# Altium PCB UZ_D_Encoder.PcbDoc (part 3 of 5)
Units mm, origin at the board's own origin, x right, y up, seen from the top; angles counter-clockwise.
Board outline 156.29 x 100 mm, 4 copper layers (Top Layer, GND, VCC, Bottom Layer), stack 0.778 mm thick; 526 components, 375 nets, 1809 pads, 592 vias.
Unrouted connection lines stored in the file: 1.
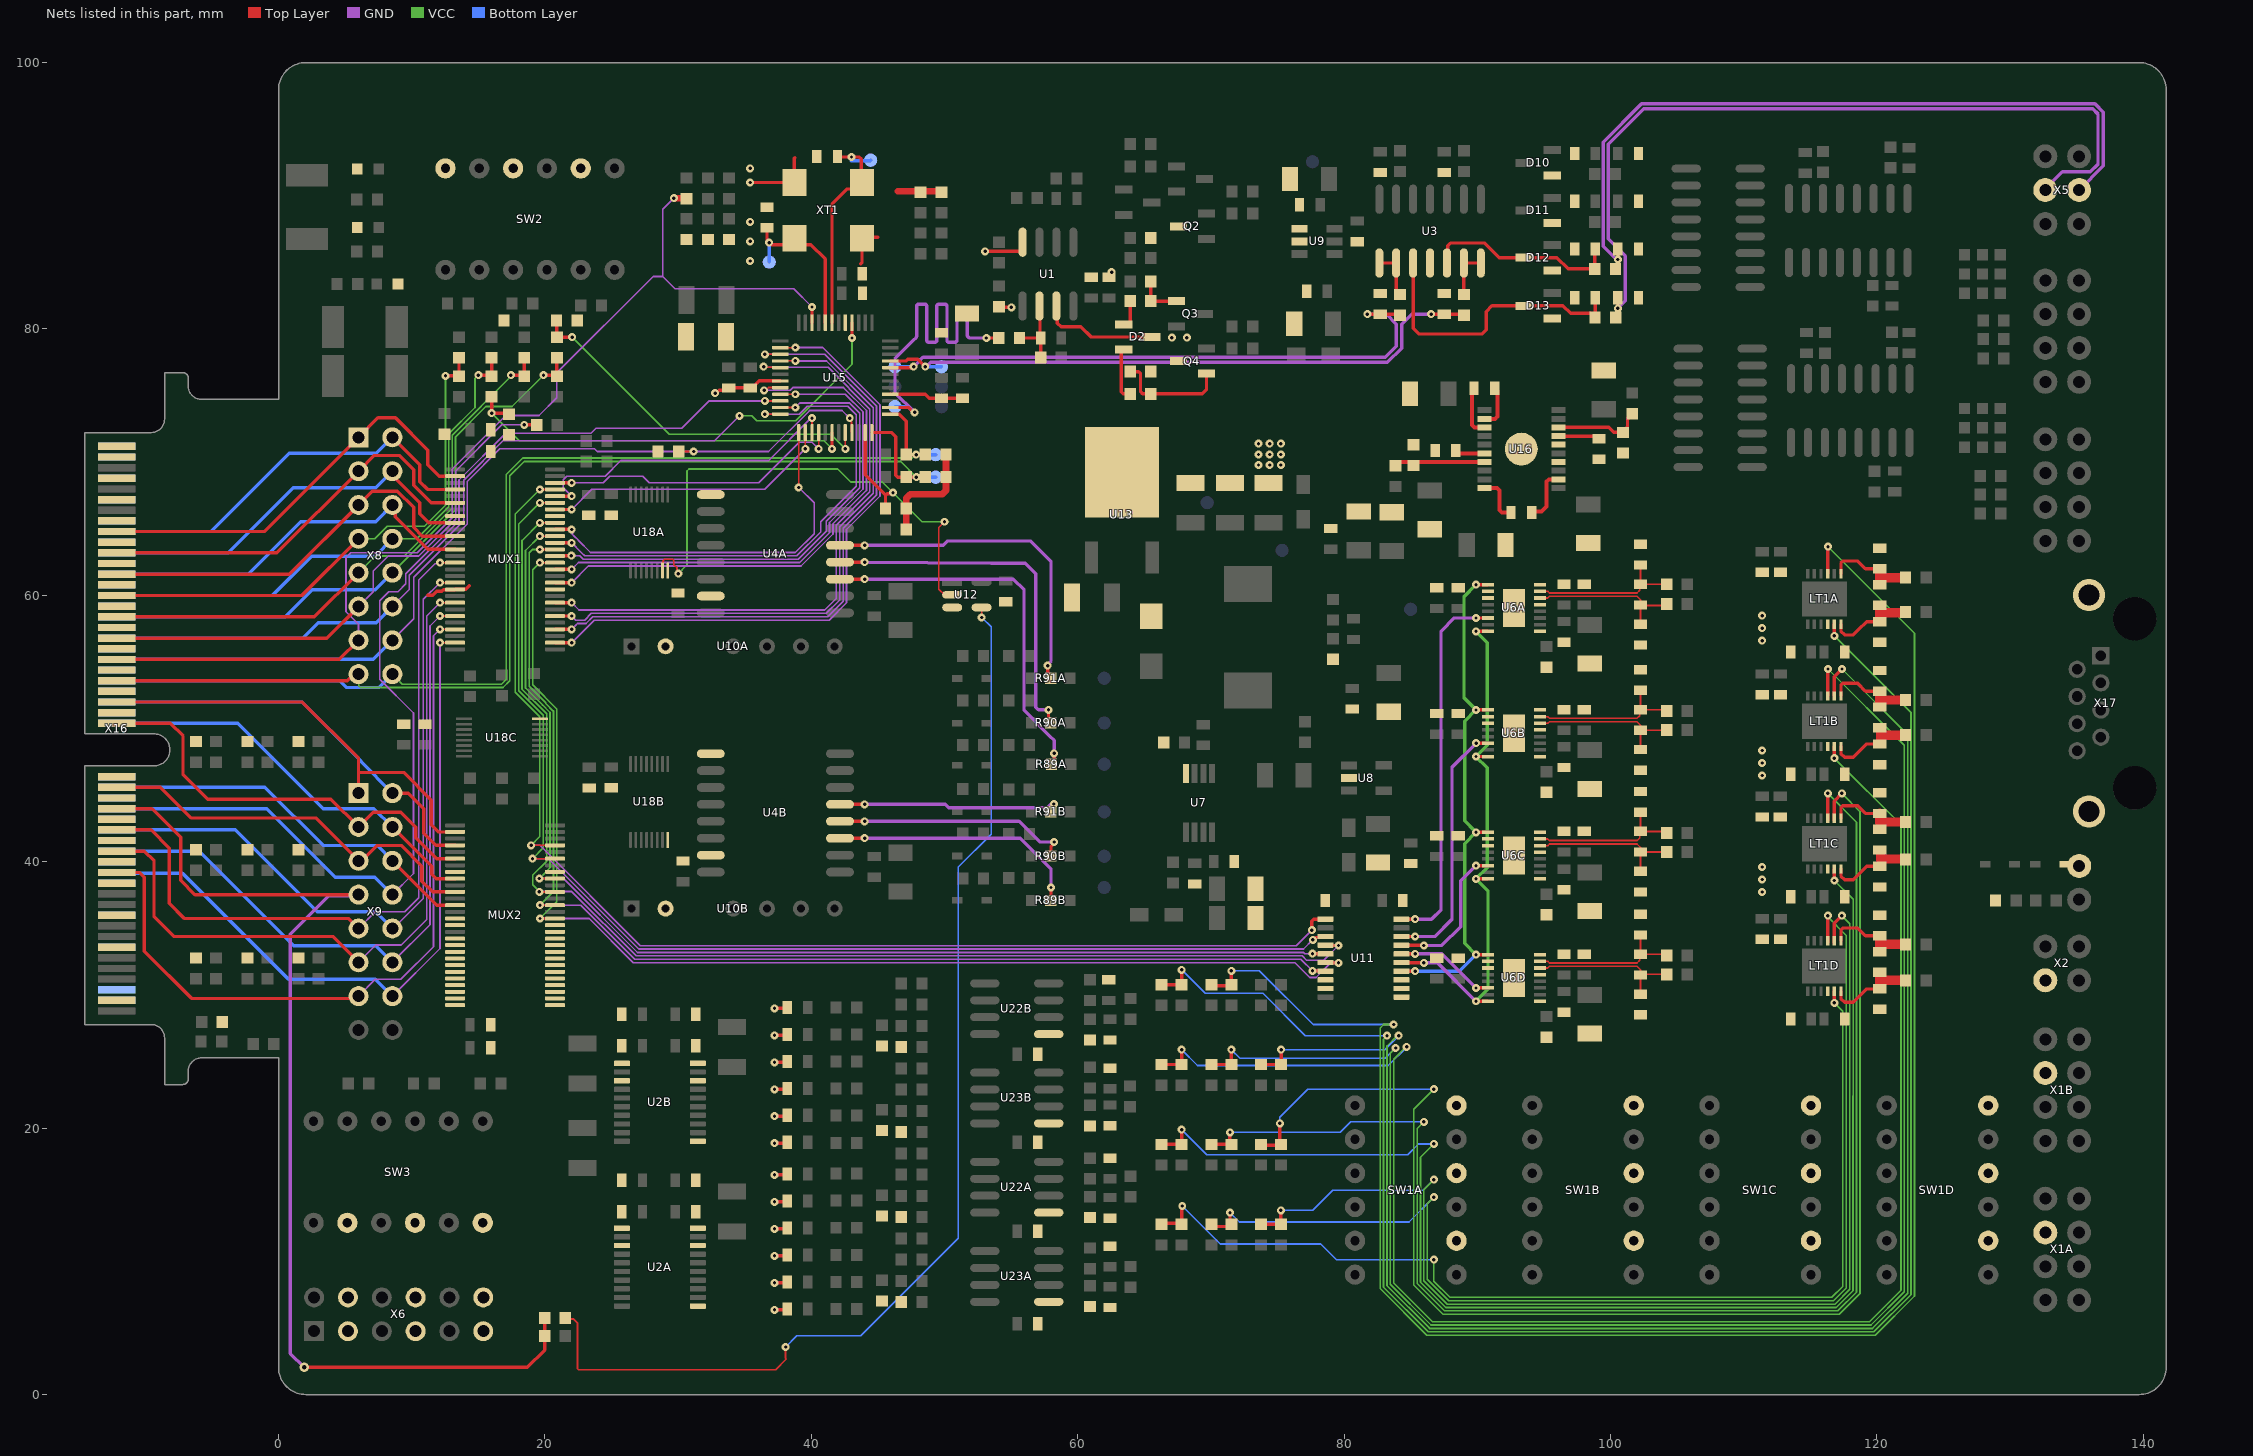
[diagram p5: the nets of this part, all layers, seen from the top]

## Via types
v1: diameter 0.6, hole 0.25, Top Layer to Bottom Layer, tented both sides, 586 vias
v2: diameter 0.7, hole 0.35, Top Layer to Bottom Layer, tented both sides, 6 vias

## Nets (pads, with @x,y where several pads share a name; then routed paths per layer and width w, separated by ;. In a path a pad name is that pad's centre, name@x,y a point inside that pad or via, vN(x,y) a via of type N, cw(c..) or ccw(c..) an arc to the next point about the centre after c; other vN are vias at no path point) (continued)
ADC_A0B: LT1B.2 R10B.2 R19B.2 | length 123.8
  Top Layer w0.25: LT1B.2@116.8,52.446 116.8,53.894 v1(117.377,54.471)
  Top Layer w0.254: R19B.2@73.774,24.775 R10B.2@75.274,24.775 v1(75.274,25.89)
  VCC w0.127: v1(84.1,26.944) 83.994,26.944 83.213,26.163 83.213,8.165 86.416,4.962 119.667,4.962 122.313,7.608 122.313,49.535 v1(117.377,54.471)
  Bottom Layer w0.127: v1(75.274,25.89) 83.046,25.89 v1(84.1,26.944)
ADC_A0C: LT1C.2 R10C.2 R19C.2 | length 106.9
  Top Layer w0.25: LT1C.2@116.788,43.11 116.788,44.558 v1(117.365,45.135)
  Top Layer w0.254: R19C.2@73.774,18.7 75.175,18.7 75.274,18.7 75.175,18.799 v1(75.175,20.357)
  VCC w0.127: v1(86.737,22.925) 85.225,21.413 85.225,8.225 87.425,6.025 117.175,6.025 118.725,7.575 118.725,43.775 v1(117.365,45.135)
  Bottom Layer w0.127: v1(75.175,20.357) 75.175,20.825 77.275,22.925 v1(86.737,22.925)
ADC_A0D: LT1D.2 R10D.2 R19D.2 | length 86.6
  Top Layer w0.25: LT1D.2@116.788,33.924 116.788,35.371 v1(117.365,35.949)
  Top Layer w0.254: R19D.2@73.774,12.775 R10D.2@75.274,12.775 75.25,12.799 v1(75.25,13.823)
  VCC w0.127: v1@86.7,16.125 86.7,16.088 85.987,15.375 85.987,8.541 87.741,6.787 116.852,6.787 117.958,7.893 117.958,22.543 117.963,22.548 117.963,35.35 v1(117.365,35.949)
  Bottom Layer w0.127: v1(75.25,13.823) 77.646,13.823 79.148,15.325 85.919,15.325 v1@86.7,16.106
  other v1: 86.737,16.125
ADC_A1A: LT1A.3 R12A.2 R20A.2 | length 140.9
  Top Layer w0.127: LT1A.3@116.3,61.633 LT1A.3@116.313,61.645 ; v1@116.313,63.645 v1(116.325,63.657)
  Top Layer w0.25: LT1A.3@116.313,61.645 v1@116.313,63.645
  Top Layer w0.254: R20A.2@70.037,30.7 71.537,30.7 v1(71.537,31.815)
  VCC w0.127: v1(83.725,27.775) 82.959,27.775 82.705,27.521 82.705,7.954 86.205,4.454 119.877,4.454 122.821,7.398 122.821,57.161 v1(116.325,63.657)
  Bottom Layer w0.127: v1(71.537,31.815) 73.635,31.815 77.675,27.775 v1(83.725,27.775)
ADC_A1B: LT1B.3 R12B.2 R20B.2 | length 125.5
  Top Layer w0.127: LT1B.3@116.3,52.446 LT1B.3@116.313,52.459 ; v1@116.313,54.458 v1(116.325,54.471)
  Top Layer w0.25: LT1B.3@116.313,52.459 v1@116.313,54.458
  Top Layer w0.254: R20B.2@70.037,24.775 R12B.2@71.537,24.775 v1(71.537,25.89)
  VCC w0.127: v1(83.864,26.014) 83.849,26.014 83.467,25.632 83.467,8.27 86.521,5.216 119.562,5.216 122.059,7.713 122.059,48.737 v1(116.325,54.471)
  Bottom Layer w0.127: v1(71.537,25.89) 72.177,25.25 83.085,25.25 83.849,26.014 v1(83.864,26.014)
ADC_A1C: LT1C.3 R12C.2 R20C.2 | length 104.5
  Top Layer w0.25: LT1C.3@116.3,43.123 LT1C.3@116.3,43.26 v1@116.3,45.122
  Top Layer w0.254: R20C.2@70.037,18.775 R12C.2@71.537,18.775 71.425,18.887 v1(71.425,19.689)
  VCC w0.127: v1(85.987,20.475) 85.479,19.967 85.479,8.33 87.53,6.279 117.063,6.279 118.466,7.682 118.466,22.332 118.471,22.337 118.471,42.976 v1(116.313,45.135)
  Bottom Layer w0.127: v1(71.425,19.689) 79.714,19.689 80.5,20.475 v1(85.987,20.475)
ADC_A1D: LT1D.3 R12D.2 R20D.2 | length 88.4
  Top Layer w0.25: LT1D.3@116.3,33.937 LT1D.3@116.3,34.074 v1@116.3,35.936
  Top Layer w0.254: R20D.2@70.106,12.615 71.606,12.615 71.433,12.788 v1(71.433,13.656)
  VCC w0.127: v1(86.737,14.818) 86.241,14.321 86.241,8.646 87.846,7.041 116.747,7.041 117.704,7.998 117.704,22.648 117.709,22.653 117.709,34.465 116.313,35.862 v1(116.313,35.949)
  Bottom Layer w0.127: v1(71.433,13.656) 72.139,12.95 84.87,12.95 v1(86.737,14.818)
ADC_A2A: LT1A.11 R13A.2 R22A.2 | length 133.9
  Top Layer w0.25: v1(116.8,56.961) LT1A.11@116.8,57.833
  Top Layer w0.254: R22A.2@66.3,30.775 R13A.2@67.8,30.775 v1(67.8,31.89)
  VCC w0.127: v1(83.219,26.944) 82.959,26.684 82.959,8.059 86.31,4.708 119.772,4.708 122.567,7.503 122.567,51.194 v1(116.8,56.961)
  Bottom Layer w0.127: v1(67.8,31.89) 69.573,30.117 73.908,30.117 77.081,26.944 v1(83.219,26.944)
ADC_A2B: LT1B.11 R13B.2 R22B.2 | length 121.9
  Top Layer w0.25: v1(116.8,47.775) LT1B.11@116.8,48.646
  Top Layer w0.254: R22B.2@66.3,24.775 R13B.2@67.8,24.775 v1(67.8,25.89)
  VCC w0.127: v1(84.7,26.1) 84.65,26.1 83.725,25.175 83.725,8.377 86.632,5.47 119.451,5.47 121.805,7.824 121.805,42.77 v1(116.8,47.775)
  Bottom Layer w0.127: v1(67.8,25.89) 68.99,24.7 83.319,24.7 84.7,26.081 v1(84.7,26.1)
ADC_A2C: LT1C.11 R13C.2 R22C.2 | length 99.6
  Top Layer w0.25: v1(116.8,38.589) LT1C.11@116.8,39.46
  Top Layer w0.254: R22C.2@66.3,18.775 R13C.2@67.8,18.775 v1(67.8,19.89)
  VCC w0.127: v1@86.681,18.881 86.681,18.769 85.733,17.821 85.733,8.435 87.635,6.533 116.958,6.533 118.212,7.788 118.212,22.437 118.217,22.442 118.217,37.172 v1(116.8,38.589)
  Bottom Layer w0.127: v1(67.8,19.89) 69.69,18 84.775,18 85.581,18.806 v1@86.737,18.806
  other v1: 86.737,18.825
ADC_A2D: LT1D.11 R13D.2 R22D.2 | length 78.8
  Top Layer w0.25: v1(116.8,29.403) LT1D.11@116.8,30.274
  Top Layer w0.254: R22D.2@66.3,12.85 67.8,12.85 67.8,14.108 v1(67.846,14.154)
  VCC w0.127: v1@86.737,10.063 86.737,8.509 87.951,7.295 116.612,7.295 117.429,8.112 117.429,28.774 v1(116.8,29.403)
  Bottom Layer w0.127: v1(67.846,14.154) 70.7,11.3 78.25,11.3 79.425,10.125 v1@86.675,10.125
  other v1: 86.737,10.125
ADC_CLK: MUX1.42 MUX2.42 U11.6 | length 93.6
  Top Layer w0.127: v1(19.616,62.45) MUX1.42@20.75,62.45 ; v1(19.619,35.736) MUX2.42@20.75,35.735
  Top Layer w0.254: U11.6@78.656,32.415 v1(79.572,32.415)
  GND w0.127: v1@19.7,35.736 23.323,35.736 26.631,32.427 76.311,32.427 77.425,31.313 77.884,31.313 78.985,32.415 v1(79.572,32.415)
  VCC w0.127: v1(19.616,62.45) 19.079,61.912 19.079,53.277 20.886,51.47 20.886,37.004 v1(19.619,35.736)
ADC_CLK_OVCCP: U6A.16 U6B.16 U6C.16 U6D.16 U11.15 | length 40.2
  Top Layer w0.254: U11.15@84.437,32.434 84.446,32.424 85.977,32.424 v1(85.987,32.415) ; v1(89.899,29.526) U6D.16@90.791,29.526 ; v1(89.899,38.712) U6C.16@90.791,38.712 ; v1(89.899,47.898) U6B.16@90.791,47.898 ; v1(89.899,57.304) U6A.16@90.791,57.304
  GND w0.254: v1(85.987,32.415) 87.01,32.415 v1(89.899,29.526)
  VCC w0.254: v1(89.899,29.526) 90.799,30.425 90.799,37.812 v1(89.899,38.712) 90.75,39.562 90.75,47.047 v1(89.899,47.898) 90.75,48.748 90.75,56.453 v1(89.899,57.304)
ADC_CVN: MUX1.44 MUX2.44 U11.7 | length 91.8
  Top Layer w0.127: v1(19.616,63.45) MUX1.44@20.75,63.45 ; v1(19.619,36.736) MUX2.44@20.75,36.735
  Top Layer w0.254: v1(77.628,31.803) U11.7@78.544,31.803
  GND w0.127: v1(19.619,36.736) 22.682,36.736 26.736,32.681 76.75,32.681 v1(77.628,31.803)
  VCC w0.127: v1(19.616,63.45) 19.071,63.45 18.825,63.204 18.825,53.172 20.062,51.935 20.062,51.881 20.632,51.311 20.632,37.75 v1(19.619,36.736)
ADC_CVNA: U6A.9 U6B.9 U6C.9 U6D.9 U11.14 | length 39.2
  Top Layer w0.254: U11.14@84.437,31.784 v1(85.328,31.784) ; v1(89.899,33.026) U6D.9@90.791,33.026 ; v1(89.899,42.212) U6C.9@90.791,42.212 ; v1(89.899,51.398) U6B.9@90.791,51.398 ; v1(89.899,60.804) U6A.9@90.791,60.804
  VCC w0.254: v1@89.789,42.322 89.049,43.062 89.049,50.547 v1(89.899,51.398) ; v1@89.789,51.508 89,52.297 89,59.904 v1(89.899,60.804) ; v1(89.899,33.026) 89.049,33.876 89.049,41.361 v1(89.899,42.212)
  Bottom Layer w0.254: v1(85.328,31.784) 88.658,31.784 v1(89.899,33.026)
ADC_FITL_INA_N: C4A.2 C6A.1 LT1A.1 R9A.2 | length 7.2
  Top Layer w0.25: LT1A.1@117.3,61.633 117.3,62.433 117.446,62.579 118.561,62.579 119.143,61.997 C6A.1@120.215,61.997 ; C4A.2@120.215,60.808 120.215,61.272 120.276,61.332
  Top Layer w0.7: 120.215,61.272 C6A.1@120.215,61.997 ; 120.276,61.332 R9A.2@122.153,61.332
ADC_FITL_INA_P: C3A.2 C4A.1 LT1A.12 R6A.2 | length 7.2
  Top Layer w0.25: LT1A.12@117.3,57.853 117.3,57.302 117.575,57.027 118.226,57.027 118.602,57.403 119.227,58.028 C3A.2@120.215,58.028 ; C3A.2@120.215,58.228 120.215,58.693 120.276,58.753
  Top Layer w0.7: C3A.2@120.215,58.293 C4A.1@120.215,59.09 ; 120.276,58.7 R6A.2@122.153,58.7
ADC_FITL_INB_N: C4B.2 C6B.1 LT1B.1 R9B.2 | length 7.2
  Top Layer w0.25: LT1B.1@117.3,52.446 117.3,53.246 117.446,53.393 118.561,53.393 119.143,52.811 C6B.1@120.215,52.811 ; C4B.2@120.215,51.561 120.215,52.026 120.276,52.086
  Top Layer w0.7: 120.215,52.026 C6B.1@120.215,52.751 ; 120.276,52.15 R9B.2@122.086,52.15 ; R9B.2@122.086,52.086 R9B.2@122.153,52.152
ADC_FITL_INB_P: C3B.2 C4B.1 LT1B.12 R6B.2 | length 7.6
  Top Layer w0.25: LT1B.12@117.3,48.666 117.3,48.116 117.575,47.841 118.226,47.841 118.602,48.216 119.227,48.842 C3B.2@120.215,48.842 ; C3B.2@120.29,49.042 120.29,49.507 120.351,49.567
  Top Layer w0.7: C4B.1@120.215,50.071 120.29,50.071 C3B.2@120.29,49 ; 120.351,49.5 R6B.2@122.228,49.5
ADC_FITL_INC_N: C4C.2 C6C.1 LT1C.1 R9C.2 | length 7.2
  Top Layer w0.25: LT1C.1@117.3,43.26 117.3,44.06 117.446,44.207 118.561,44.207 119.143,43.625 C6C.1@120.215,43.625 ; C4C.2@120.215,42.463 120.215,42.927 120.276,42.987
  Top Layer w0.7: 120.215,42.927 C6C.1@120.215,43.652 ; 120.276,42.987 R9C.2@122.153,42.987
ADC_FITL_INC_P: C3C.2 C4C.1 LT1C.12 R6C.2 | length 7.1
  Top Layer w0.25: LT1C.12@117.3,39.48 117.3,38.93 117.575,38.655 118.226,38.655 118.602,39.03 119.227,39.656 C3C.2@120.215,39.656 ; C3C.2@120.29,39.636 120.29,40.1 120.351,40.16
  Top Layer w0.7: 120.29,40.1 C4C.1@120.29,40.825 ; 120.351,40.2 R6C.2@122.228,40.2
ADC_FITL_IND_N: C4D.2 C6D.1 LT1D.1 R9D.2 | length 7.2
  Top Layer w0.25: LT1D.1@117.3,34.074 117.3,34.874 117.446,35.021 118.561,35.021 119.143,34.439 C6D.1@120.215,34.439 ; C4D.2@120.215,33.189 120.215,33.654 120.276,33.714
  Top Layer w0.7: 120.215,33.654 C6D.1@120.215,34.379 ; 120.276,33.8 R9D.2@122.153,33.8
ADC_FITL_IND_P: C3D.2 C4D.1 LT1D.12 R6D.2 | length 7.2
  Top Layer w0.25: LT1D.12@117.3,30.274 117.3,29.723 117.575,29.448 118.226,29.448 118.602,29.824 119.227,30.45 120.215,30.45 C3D.2@120.215,30.47 120.215,30.914 120.276,30.974
  Top Layer w0.7: 120.215,30.914 C4D.1@120.215,31.639 ; 120.276,31.1 R6D.2@122.078,31.1 ; R6D.2@122.078,30.974 122.153,31.049 R6D.2@122.153,31.067
ADC_IN_NFA: C32A.2 C33A.1 R46A.2 U6A.7 | length 11.3
  Top Layer w0.127: U6A.7@94.691,60.304 95.293,60.304 95.416,60.181 96.002,60.181 101.987,60.181 102.187,60.38 102.187,60.724 C32A.2@102.25,60.788 ; C33A.1@102.25,61.997 102.25,60.835 C32A.2@102.25,60.788 ; R46A.2@104.212,60.835 102.297,60.835 C32A.2@102.25,60.788
ADC_IN_NFB: C32B.2 C33B.1 R46B.2 U6B.7 | length 11.6
  Top Layer w0.127: U6B.7@94.691,50.898 95.293,50.898 95.416,50.775 96.002,50.775 ; 96.003,50.775 101.987,50.775 102.187,50.974 C32B.2@102.187,51.318 ; C33B.1@102.25,52.873 C32B.2@102.25,51.423 104.097,51.423 R46B.2@104.212,51.308
  Top Layer w0.25: C32B.2@102.187,51.318 102.25,51.382 C32B.2@102.25,51.423
ADC_IN_NFC: C32C.2 C33C.1 R46C.2 U6C.7 | length 11.4
  Top Layer w0.127: U6C.7@94.691,41.712 95.293,41.712 95.416,41.589 96.002,41.589 101.987,41.589 102.187,41.788 C32C.2@102.187,42.132 ; C33C.1@102.25,43.728 C32C.2@102.25,42.278 R46C.2@104.084,42.278
  Top Layer w0.25: R46C.2@104.084,42.278 R46C.2@104.212,42.15
ADC_IN_NFD: C32D.2 C33D.1 R46D.2 U6D.7 | length 11.4
  Top Layer w0.127: U6D.7@94.691,32.526 95.293,32.526 95.416,32.403 96.002,32.403 101.987,32.403 102.187,32.602 C32D.2@102.187,32.946 ; C33D.1@102.25,34.501 C32D.2@102.25,33.051 104.11,33.051 R46D.2@104.212,32.949
ADC_IN_PFA: C31A.2 C32A.1 R45A.2 U6A.6 | length 11.4
  Top Layer w0.127: U6A.6@94.691,59.804 95.293,59.804 95.416,59.927 96.108,59.927 ; 96.108,59.927 101.987,59.927 102.25,59.664 C32A.1@102.25,59.238 ; C31A.2@102.25,58.028 C32A.1@102.25,59.238 ; R45A.2@104.212,59.335 104.115,59.238 C32A.1@102.25,59.238
ADC_IN_PFB: C31B.2 C32B.1 R45B.2 U6B.6 | length 11.5
  Top Layer w0.127: U6B.6@94.691,50.398 95.293,50.398 95.416,50.521 96.108,50.521 ; 96.108,50.521 101.987,50.521 102.25,50.258 C32B.1@102.25,49.873 ; C31B.2@102.25,48.423 C32B.1@102.25,49.873 ; R45B.2@104.212,49.898 104.188,49.873 C32B.1@102.25,49.873
ADC_IN_PFC: C31C.2 C32C.1 R45C.2 U6C.6 | length 11.5
  Top Layer w0.127: U6C.6@94.691,41.212 95.293,41.212 95.416,41.335 96.108,41.335 ; 96.108,41.335 101.987,41.335 102.25,41.072 C32C.1@102.25,40.728 ; C31C.2@102.25,39.278 C32C.1@102.25,40.728 ; R45C.2@104.212,40.728 C32C.1@102.25,40.728
ADC_IN_PFD: C31D.2 C32D.1 R45D.2 U6D.6 | length 11.5
  Top Layer w0.127: U6D.6@94.691,32.026 95.293,32.026 95.416,32.149 96.108,32.149 ; 96.108,32.149 101.987,32.149 102.25,31.886 C32D.1@102.25,31.616 ; C31D.2@102.25,30.051 C32D.1@102.25,31.501 C32D.1@102.25,31.616 ; R45D.2@104.212,31.549 102.317,31.549 C32D.1@102.25,31.616
ADC_OUT_OVCCP1: U6A.14 U11.20 | length 28.1
  Top Layer w0.254: U11.20@84.3,35.684 v1(85.328,35.684) ; v1(89.899,58.304) U6A.14@90.791,58.304
  GND w0.254: v1(85.328,35.684) 86.559,35.684 87.275,36.4 87.275,57.304 88.275,58.304 v1(89.899,58.304)
ADC_OUT_OVCCP2: U6B.14 U11.18 | length 19.2
  Top Layer w0.254: U11.18@84.3,34.384 v1(85.328,34.384) ; v1(89.908,48.898) U6B.14@90.791,48.898 U6B.14@90.8,48.898
  GND w0.254: v1(85.328,34.384) 86.809,34.384 88.1,35.675 88.1,47.089 v1(89.908,48.898)
ADC_OUT_OVCCP3: U6C.14 U11.17 | length 11
  Top Layer w0.254: U11.17@84.3,33.734 84.31,33.724 85.977,33.724 v1(85.987,33.715) ; v1(89.899,39.712) U6C.14@90.791,39.712
  GND w0.254: v1(85.987,33.715) 87.341,33.715 88.75,35.124 88.75,38.562 v1(89.899,39.712)
ADC_OUT_OVCCP4: U6D.14 U11.16 | length 7.6
  Top Layer w0.254: U11.16@84.3,33.084 v1(85.328,33.084) ; v1(89.899,30.526) U6D.14@90.791,30.526
  GND w0.254: v1(85.328,33.084) 87.341,33.084 v1(89.899,30.526)
ADC_OUT_P1: MUX1.53 MUX2.53 U11.1 | length 95.4
  Top Layer w0.127: v1(18.958,41.236) 19.546,41.236 MUX2.53@20.75,41.235 ; v1(19.616,67.95) MUX1.53@20.75,67.95
  Top Layer w0.254: v1(77.573,34.864) 77.573,35.546 77.722,35.695 U11.1@78.535,35.695
  GND w0.127: v1@18.959,41.235 19.619,41.235 27.157,33.697 76.406,33.697 v1(77.573,34.864)
  VCC w0.127: v1(18.958,41.236) 19.616,41.894 19.616,50.89 17.771,52.736 17.771,66.104 v1(19.616,67.95)
ADC_OUT_P2: MUX1.51 MUX2.51 U11.3 | length 94
  Top Layer w0.127: v1(19.064,40.236) 19.673,40.236 ; v1(19.616,66.95) MUX1.51@20.75,66.95 ; 19.674,40.235 MUX2.51@20.75,40.235
  Top Layer w0.254: v1(77.648,34.141) 77.742,34.141 77.912,34.311 78.452,34.311 U11.3@78.544,34.403
  GND w0.127: v1(19.064,40.236) 20.259,40.236 27.052,33.443 76.95,33.443 v1(77.648,34.141)
  VCC w0.127: v1(19.064,40.236) 19.87,41.042 19.87,50.995 19.3,51.565 18.025,52.841 18.025,65.358 v1(19.616,66.95)
ADC_OUT_P3: MUX1.48 MUX2.46 U11.4 | length 95.5
  Top Layer w0.127: v1(19.572,37.736) MUX2.46@20.75,37.735 ; v1(19.616,65.45) MUX1.48@20.75,65.45
  Top Layer w0.254: U11.4@78.656,33.715 v1(79.572,33.715)
  GND w0.127: v1@19.572,37.759 22.018,37.759 26.842,32.935 76.856,32.935 77.178,32.613 78.47,32.613 v1(79.572,33.715)
  VCC w0.127: v1(19.572,37.736) 19.572,37.782 19.079,38.275 19.079,39.002 20.124,40.048 20.124,51.101 18.279,52.946 18.279,64.112 v1(19.616,65.45)
ADC_OUT_P4: MUX1.46 MUX2.48 U11.5 | length 90.8
  Top Layer w0.127: v1(19.572,38.736) MUX2.48@20.75,38.735 ; v1(19.616,64.45) MUX1.46@20.75,64.45
  Top Layer w0.254: v1(77.628,33.103) U11.5@78.544,33.103
  GND w0.127: v1@19.7,38.735 21.401,38.735 26.947,33.189 76.961,33.189 77.047,33.103 v1(77.628,33.103)
  VCC w0.127: v1(19.572,38.736) 20.378,39.542 20.378,51.206 19.808,51.776 18.533,53.051 18.533,63.366 v1(19.616,64.45)
ADJ+_DIFF_SUPPLY: R118.1 R120.2 U16.18 | length 6.7
  Top Layer w0.254: U16.18@96.082,72.609 99.857,72.609 100.232,72.234 100.957,72.234 101.255,72.532 101.255,72.661 101.275,72.681 101.275,73.198 101.309,73.232 101.309,73.347 101.607,73.645 R118.1@101.632,73.645
ADJ-_DIFF_SUPPLY: R119.1 R121.2 U16.7 | length 6.8
  Top Layer w0.3: R119.1@83.867,69.724 83.892,69.724 84.177,70.009 U16.7@90.532,70.009
AGND_RESOLVER: BS4.1 C112.2 C113.2 C114.2 C115.2 U15.40 | length 5.6
  Top Layer w0.25: U15.40@45.925,75.1 48.55,75.1 48.85,74.8 C112.2@49.775,74.8 C113.2@51.351,74.8
B: R111.2 R168.2 U15.30 | length 30.4
  Top Layer w0.25: R111.2@15.994,74.836 v1(15.994,73.685) 17.215,73.685 R168.2@17.3,73.6 ; v1(41.55,71) U15.30@41.55,72.225
  VCC w0.127: v1(15.994,73.685) 18.078,71.6 40.95,71.6 v1(41.55,71)
BYP+_DIFF_SUPPLY: C90.1 U16.17 | length 3.1
  Top Layer w0.254: U16.17@96.082,71.959 98.944,71.959 C90.1@99.134,71.769
BYP-_DIFF_SUPPLY: C91.1 U16.6 | length 2.2
  Top Layer w0.3: C91.1@88.383,70.875 88.383,70.859 88.583,70.659 U16.6@90.532,70.659
CBST+_DIFF_SUPPLY: C89.1 U16.3 | length 3.8
  Top Layer w0.3: C89.1@89.757,75.539 89.608,75.39 89.608,72.785 89.783,72.609 U16.3@90.532,72.609
CBST-_DIFF_SUPPLY: C89.2 U16.2 | length 3.2
  Top Layer w0.3: U16.2@90.532,73.259 91.321,73.259 91.497,73.435 91.497,75.349 C89.2@91.307,75.539
CINV+_DIFF_SUPPLY: C84.1 U16.12 | length 4.1
  Top Layer w0.3: C84.1@94.082,66.225 94.147,66.29 94.807,66.29 95.195,66.678 95.195,68.533 95.37,68.709 U16.12@96.082,68.709
CINV-_DIFF_SUPPLY: C84.2 U16.10 | length 3.6
  Top Layer w0.3: U16.10@90.532,68.059 91.483,68.059 91.659,67.883 91.659,66.401 91.835,66.225 C84.2@92.532,66.225
CLK_IN: C118.1 TP13.1 U15.7 XT1.1 | length 17.3
  Top Layer w0.25: U15.7@41.55,80.475 41.55,89.388 42.676,90.514 XT1.1@43.804,90.514 ; C118.1@41.963,92.952 42.005,92.91 43.606,92.91 43.753,92.764 43.753,90.567 XT1.1@43.805,90.515
  Bottom Layer w0.25: 42.993,92.608 43.027,92.641 44.416,92.641 TP13.1@44.45,92.675
  other v1: 43.015,92.91
CLK_OUT: C119.1 TP15.1 U15.8 XT1.3 | length 12.2
  Top Layer w0.25: C119.1@36.667,87.6 36.667,86.648 37,86.315 38.705,86.315 38.725,86.335 39.97,86.335 41.05,85.255 U15.8@41.05,80.475
  Bottom Layer w0.25: TP15.1@36.834,85.025 v1(36.834,86.481)
Collective_FLT: X16.96
COS: C79.1 R83.2 TP7.1 U15.45 | length 47.3
  Top Layer w0.25: U15.45@45.925,77.6 47.118,77.6 47.239,77.721 47.999,77.721 v1(48.55,77.17) ; v1(86.538,81.11) C79.1@87.506,81.11 88.915,81.11 R83.2@88.99,81.035
  GND w0.25: v1(48.55,77.17) 48.645,77.17 48.967,77.493 83.251,77.493 84.317,78.558 84.317,80.36 85.067,81.11 v1(86.538,81.11)